# KiCad board poly_kb_wave_right2.kicad_pcb
title: PolyKybd Split72 R; date: 2023-06-22; rev: 2.2; company: thpoll; note: AISLER Project ID: ZHKWJIQG

Outline 182 x 129 mm; copper layers: Top (plane), In1.Cu, In2.Cu (plane), Bottom. Coordinates in mm from the lower left corner of the outline.
Outline path: 0,123 0,49 1,45 17,1 19,0 21,0 61,12 130,18 173,18 176,21 182,40 182,122 181,123 110.8,129 69.3,129 2,125 0,123 ; 17.36,30.74 arc(16.22,31.27) 16.75,32.41 24.26,35.14 arc(25.39,34.61) 24.86,33.47 17.36,30.74 ; 25.47,10.08 arc(24.33,10.61) 24.86,11.75 32.37,14.48 arc(33.5,13.95) 32.97,12.81 25.47,10.08 ; 39.86,101.57 arc(38.97,102.46) 39.86,103.35 47.84,103.35 arc(48.73,102.46) 47.84,101.57 39.86,101.57 ; 39.86,82.52 arc(38.97,83.41) 39.86,84.3 47.84,84.3 arc(48.73,83.41) 47.84,82.52 39.86,82.52 ; 39.86,63.47 arc(38.97,64.36) 39.86,65.25 47.84,65.25 arc(48.73,64.36) 47.84,63.47 39.86,63.47 ; 40.03,37.99 arc(38.96,38.65) 39.61,39.72 47.35,41.58 arc(48.45,40.94) 47.79,39.85 40.03,37.99 ; 45.72,16.27 arc(44.64,16.93) 45.3,18 53.06,19.86 arc(54.13,19.21) 53.48,18.13 45.72,16.27 ; 58.91,101.57 arc(58.02,102.46) 58.91,103.35 66.89,103.35 arc(67.78,102.46) 66.89,101.57 58.91,101.57 ; 58.91,82.52 arc(58.02,83.41) 58.91,84.3 66.89,84.3 arc(67.78,83.41) 66.89,82.52 58.91,82.52 ; 58.91,63.47 arc(58.02,64.36) 58.91,65.25 66.89,65.25 arc(67.78,64.36) 66.89,63.47 58.91,63.47 ; 58.91,44.42 arc(58.02,45.31) 58.91,46.2 66.89,46.2 arc(67.78,45.31) 66.89,44.42 58.91,44.42 ; 67.21,20.23 arc(66.24,21.04) 67.05,22 75,22.69 arc(75.97,21.89) 75.16,20.92 67.21,20.23 ; 77.96,103.95 arc(77.07,104.84) 77.96,105.73 85.94,105.73 arc(86.83,104.84) 85.94,103.95 77.96,103.95 ; 77.96,84.9 arc(77.07,85.79) 77.96,86.68 85.94,86.68 arc(86.83,85.79) 85.94,84.9 77.96,84.9 ; 77.96,65.85 arc(77.07,66.74) 77.96,67.63 85.94,67.63 arc(86.83,66.74) 85.94,65.85 77.96,65.85 ; 77.96,46.8 arc(77.07,47.69) 77.96,48.58 85.94,48.58 arc(86.83,47.69) 85.94,46.8 77.96,46.8 ; 97.01,106.34 arc(96.12,107.22) 97.01,108.11 104.99,108.11 arc(105.88,107.22) 104.99,106.34 97.01,106.34 ; 97.01,87.29 arc(96.12,88.18) 97.01,89.06 104.99,89.06 arc(105.88,88.17) 104.99,87.29 97.01,87.29 ; 97.01,68.24 arc(96.12,69.13) 97.01,70.01 104.99,70.01 arc(105.88,69.12) 104.99,68.24 97.01,68.24 ; 97.01,49.19 arc(96.12,50.08) 97.01,50.96 104.99,50.96 arc(105.88,50.07) 104.99,49.19 97.01,49.19 ; 97.01,30.14 arc(96.12,31.03) 97.01,31.91 104.99,31.91 arc(105.88,31.02) 104.99,30.14 97.01,30.14 ; 116.06,103.95 arc(115.17,104.84) 116.06,105.73 124.04,105.73 arc(124.93,104.84) 124.04,103.95 116.06,103.95 ; 116.06,84.9 arc(115.17,85.79) 116.06,86.68 124.04,86.68 arc(124.93,85.79) 124.04,84.9 116.06,84.9 ; 116.06,65.85 arc(115.17,66.74) 116.06,67.63 124.04,67.63 arc(124.93,66.74) 124.04,65.85 116.06,65.85 ; 116.06,46.8 arc(115.17,47.69) 116.06,48.58 124.04,48.58 arc(124.93,47.69) 124.04,46.8 116.06,46.8 ; 116.06,27.75 arc(115.17,28.64) 116.06,29.53 124.04,29.53 arc(124.93,28.64) 124.04,27.75 116.06,27.75 ; 135.11,101.57 arc(134.22,102.46) 135.11,103.35 143.09,103.35 arc(143.98,102.46) 143.09,101.57 135.11,101.57 ; 135.11,82.52 arc(134.22,83.41) 135.11,84.3 143.09,84.3 arc(143.98,83.41) 143.09,82.52 135.11,82.52 ; 135.11,63.47 arc(134.22,64.36) 135.11,65.25 143.09,65.25 arc(143.98,64.36) 143.09,63.47 135.11,63.47 ; 135.11,44.42 arc(134.22,45.31) 135.11,46.2 143.09,46.2 arc(143.98,45.31) 143.09,44.42 135.11,44.42 ; 135.11,25.37 arc(134.22,26.26) 135.11,27.15 143.09,27.15 arc(143.98,26.26) 143.09,25.37 135.11,25.37 ; 154.16,25.37 arc(153.27,26.26) 154.16,27.15 162.14,27.15 arc(163.03,26.26) 162.14,25.37 154.16,25.37 ; 158.92,101.57 arc(158.03,102.46) 158.92,103.35 166.9,103.35 arc(167.79,102.46) 166.9,101.57 158.92,101.57 ; 158.92,82.52 arc(158.03,83.41) 158.92,84.3 166.9,84.3 arc(167.79,83.41) 166.9,82.52 158.92,82.52 ; 158.92,63.47 arc(158.03,64.36) 158.92,65.25 166.9,65.25 arc(167.79,64.36) 166.9,63.47 158.92,63.47 ; 158.92,44.42 arc(158.03,45.31) 158.92,46.2 166.9,46.2 arc(167.79,45.31) 166.9,44.42 158.92,44.42
Stack: Top 0.035mm / dielectric 0.2104mm FR4 er 4.5 / In1.Cu 0.0152mm / dielectric 1.065mm FR4 er 4.5 / In2.Cu 0.0152mm / dielectric 0.2104mm FR4 er 4.5 / Bottom 0.035mm

## Placement (name value [footprint] x y rotation side)
C1_1  2.2uF 0603 25V  [C_0603_1608Metric]  51.79 117.44 270 bottom
C1_2  2.2uF 0603 25V  [C_0603_1608Metric]  70.84 117.44 270 bottom
C1_3  2.2uF 0603 25V  [C_0603_1608Metric]  87.92 117.89 270 bottom
C1_4  2.2uF 0603 25V  [C_0603_1608Metric]  108.94 122.2 270 bottom
C1_5  2.2uF 0603 25V  [C_0603_1608Metric]  127.99 119.82 270 bottom
C1_6  2.2uF 0603 25V  [C_0603_1608Metric]  147.04 117.44 270 bottom
C1_7  2.2uF 0603 25V  [C_0603_1608Metric]  170.85 117.77 270 bottom
C1_8  2.2uF 0603 25V  [C_0603_1608Metric]  51.79 98.39 270 bottom
C1_9  2.2uF 0603 25V  [C_0603_1608Metric]  70.84 98.39 270 bottom
C1_10  2.2uF 0603 25V  [C_0603_1608Metric]  89.89 100.77 270 bottom
C1_11  2.2uF 0603 25V  [C_0603_1608Metric]  108.94 103.15 270 bottom
C1_12  2.2uF 0603 25V  [C_0603_1608Metric]  127.99 100.77 270 bottom
C1_13  2.2uF 0603 25V  [C_0603_1608Metric]  147.04 98.39 270 bottom
C1_14  2.2uF 0603 25V  [C_0603_1608Metric]  170.85 98.39 270 bottom
C1_15  2.2uF 0603 25V  [C_0603_1608Metric]  51.79 79.34 270 bottom
C1_16  2.2uF 0603 25V  [C_0603_1608Metric]  70.84 79.34 270 bottom
C1_17  2.2uF 0603 25V  [C_0603_1608Metric]  89.89 81.72 270 bottom
C1_18  2.2uF 0603 25V  [C_0603_1608Metric]  108.94 84.1 270 bottom
C1_19  2.2uF 0603 25V  [C_0603_1608Metric]  127.99 81.72 270 bottom
C1_20  2.2uF 0603 25V  [C_0603_1608Metric]  145.07 83.22 90 bottom
C1_21  2.2uF 0603 25V  [C_0603_1608Metric]  170.85 79.34 270 bottom
C1_22  2.2uF 0603 25V  [C_0603_1608Metric]  47.93 56.2 283.5 bottom
C1_23  2.2uF 0603 25V  [C_0603_1608Metric]  70.84 60.29 270 bottom
C1_24  2.2uF 0603 25V  [C_0603_1608Metric]  89.89 62.67 270 bottom
C1_25  2.2uF 0603 25V  [C_0603_1608Metric]  108.94 65.05 270 bottom
C1_26  2.2uF 0603 25V  [C_0603_1608Metric]  127.99 62.67 270 bottom
C1_27  2.2uF 0603 25V  [C_0603_1608Metric]  147.04 60.29 270 bottom
C1_28  2.2uF 0603 25V  [C_0603_1608Metric]  170.85 60.29 270 bottom
C1_29  2.2uF 0603 25V  [C_0603_1608Metric]  23.15 49.72 290 bottom
C1_30  2.2uF 0603 25V  [C_0603_1608Metric]  31.26 29.07 290 bottom
C1_31  2.2uF 0603 25V  [C_0603_1608Metric]  53.6 34.49 283.5 bottom
C1_32  2.2uF 0603 25V  [C_0603_1608Metric]  77.73 37.05 275 bottom
C1_33  2.2uF 0603 25V  [C_0603_1608Metric]  108.94 46 270 bottom
C1_34  2.2uF 0603 25V  [C_0603_1608Metric]  127.99 43.62 270 bottom
C1_35  2.2uF 0603 25V  [C_0603_1608Metric]  147.04 41.24 270 bottom
C1_36  2.2uF 0603 25V  [C_0603_1608Metric]  166.09 41.24 270 bottom
C2  1uF 0402 16V  [C_0402_1005Metric]  12.23 85.89 0 bottom
C2_1  2.2uF 0603 16V  [C_0603_1608Metric]  37.57 118.71 180 bottom
C2_2  2.2uF 0603 16V  [C_0603_1608Metric]  56.62 118.71 180 bottom
C2_3  2.2uF 0603 16V  [C_0603_1608Metric]  75.67 121.09 180 bottom
C2_4  2.2uF 0603 16V  [C_0603_1608Metric]  95.64 124.26 90 bottom
C2_5  2.2uF 0603 16V  [C_0603_1608Metric]  113.77 121.09 180 bottom
C2_6  2.2uF 0603 16V  [C_0603_1608Metric]  132.82 118.71 180 bottom
C2_7  2.2uF 0603 16V  [C_0603_1608Metric]  156.63 119.04 180 bottom
C2_8  2.2uF 0603 16V  [C_0603_1608Metric]  37.57 99.66 180 bottom
C2_9  2.2uF 0603 16V  [C_0603_1608Metric]  56.62 99.66 180 bottom
C2_10  2.2uF 0603 16V  [C_0603_1608Metric]  75.67 102.04 180 bottom
C2_11  2.2uF 0603 16V  [C_0603_1608Metric]  94.72 104.42 180 bottom
C2_12  2.2uF 0603 16V  [C_0603_1608Metric]  113.77 102.04 180 bottom
C2_13  2.2uF 0603 16V  [C_0603_1608Metric]  132.82 99.66 180 bottom
C2_14  2.2uF 0603 16V  [C_0603_1608Metric]  156.63 99.66 180 bottom
C2_15  2.2uF 0603 16V  [C_0603_1608Metric]  37.57 80.61 180 bottom
C2_16  2.2uF 0603 16V  [C_0603_1608Metric]  56.62 80.61 180 bottom
C2_17  2.2uF 0603 16V  [C_0603_1608Metric]  75.67 82.99 180 bottom
C2_18  2.2uF 0603 16V  [C_0603_1608Metric]  94.72 85.37 180 bottom
C2_19  2.2uF 0603 16V  [C_0603_1608Metric]  113.77 82.99 180 bottom
C2_20  2.2uF 0603 16V  [C_0603_1608Metric]  132.82 80.61 180 bottom
C2_21  2.2uF 0603 16V  [C_0603_1608Metric]  156.63 80.61 180 bottom
C2_22  2.2uF 0603 16V  [C_0603_1608Metric]  33.8 54.12 193.5 bottom
C2_23  2.2uF 0603 16V  [C_0603_1608Metric]  56.62 61.56 180 bottom
C2_24  2.2uF 0603 16V  [C_0603_1608Metric]  75.67 63.94 180 bottom
C2_25  2.2uF 0603 16V  [C_0603_1608Metric]  94.72 66.32 180 bottom
C2_26  2.2uF 0603 16V  [C_0603_1608Metric]  113.77 63.94 180 bottom
C2_27  2.2uF 0603 16V  [C_0603_1608Metric]  132.82 61.56 180 bottom
C2_28  2.2uF 0603 16V  [C_0603_1608Metric]  156.63 61.56 180 bottom
C2_29  2.2uF 0603 16V  [C_0603_1608Metric]  9.35 46.05 200 bottom
C2_30  2.2uF 0603 16V  [C_0603_1608Metric]  17.46 25.4 200 bottom
C2_31  2.2uF 0603 16V  [C_0603_1608Metric]  39.47 32.4 193.5 bottom
C2_32  2.2uF 0603 16V  [C_0603_1608Metric]  63.45 37.08 185 bottom
C2_33  2.2uF 0603 16V  [C_0603_1608Metric]  94.72 47.27 180 bottom
C2_34  2.2uF 0603 16V  [C_0603_1608Metric]  113.77 44.89 180 bottom
C2_35  2.2uF 0603 16V  [C_0603_1608Metric]  132.82 42.51 180 bottom
C2_36  2.2uF 0603 16V  [C_0603_1608Metric]  151.87 42.51 180 bottom
C3  27pF 0402 16V  [C_0402_1005Metric]  24.1 97.2 180 bottom
C3_1  1uF 0402 16V  [C_0402_1005Metric]  36.3 115.91 180 bottom
C3_2  1uF 0402 16V  [C_0402_1005Metric]  55.35 115.91 180 bottom
C3_3  1uF 0402 16V  [C_0402_1005Metric]  74.4 118.3 180 bottom
C3_4  1uF 0402 16V  [C_0402_1005Metric]  93.25 118.1 270 bottom
C3_5  1uF 0402 16V  [C_0402_1005Metric]  112.5 118.3 180 bottom
C3_6  1uF 0402 16V  [C_0402_1005Metric]  131.55 115.91 180 bottom
C3_7  1uF 0402 16V  [C_0402_1005Metric]  155.36 116.24 180 bottom
C3_8  1uF 0402 16V  [C_0402_1005Metric]  36.3 96.86 180 bottom
C3_9  1uF 0402 16V  [C_0402_1005Metric]  55.35 96.86 180 bottom
C3_10  1uF 0402 16V  [C_0402_1005Metric]  74.4 99.25 180 bottom
C3_11  1uF 0402 16V  [C_0402_1005Metric]  93.45 101.63 180 bottom
C3_12  1uF 0402 16V  [C_0402_1005Metric]  112.5 99.25 180 bottom
C3_13  1uF 0402 16V  [C_0402_1005Metric]  131.55 96.86 180 bottom
C3_14  1uF 0402 16V  [C_0402_1005Metric]  155.36 96.86 180 bottom
C3_15  1uF 0402 16V  [C_0402_1005Metric]  36.3 77.81 180 bottom
C3_16  1uF 0402 16V  [C_0402_1005Metric]  55.35 77.81 180 bottom
C3_17  1uF 0402 16V  [C_0402_1005Metric]  74.4 80.2 180 bottom
C3_18  1uF 0402 16V  [C_0402_1005Metric]  93.45 82.58 180 bottom
C3_19  1uF 0402 16V  [C_0402_1005Metric]  112.5 80.2 180 bottom
C3_20  1uF 0402 16V  [C_0402_1005Metric]  131.55 77.81 180 bottom
C3_21  1uF 0402 16V  [C_0402_1005Metric]  155.36 77.81 180 bottom
C3_22  1uF 0402 16V  [C_0402_1005Metric]  33.22 51.1 193.5 bottom
C3_23  1uF 0402 16V  [C_0402_1005Metric]  55.35 58.76 180 bottom
C3_24  1uF 0402 16V  [C_0402_1005Metric]  74.4 61.15 180 bottom
C3_25  1uF 0402 16V  [C_0402_1005Metric]  93.45 63.53 180 bottom
C3_26  1uF 0402 16V  [C_0402_1005Metric]  112.5 61.15 180 bottom
C3_27  1uF 0402 16V  [C_0402_1005Metric]  131.55 58.76 180 bottom
C3_28  1uF 0402 16V  [C_0402_1005Metric]  155.36 58.76 180 bottom
C3_29  1uF 0402 16V  [C_0402_1005Metric]  9.11 42.99 200 bottom
C3_30  1uF 0402 16V  [C_0402_1005Metric]  17.22 22.34 200 bottom
C3_31  1uF 0402 16V  [C_0402_1005Metric]  38.89 29.39 193.5 bottom
C3_32  1uF 0402 16V  [C_0402_1005Metric]  62.43 34.18 185 bottom
C3_33  1uF 0402 16V  [C_0402_1005Metric]  93.45 44.48 180 bottom
C3_34  1uF 0402 16V  [C_0402_1005Metric]  112.5 42.1 180 bottom
C3_35  1uF 0402 16V  [C_0402_1005Metric]  131.55 39.71 180 bottom
C3_36  1uF 0402 16V  [C_0402_1005Metric]  150.6 39.71 180 bottom
C4  10uF 0805 16V  [C_0805_2012Metric]  10.65 117.85 180 top
C4_1  4.7uF 3216 25V Tantalum  [CP_EIA-3216-18_Kemet-A]  49.76 117.31 270 bottom
C4_2  4.7uF 3216 25V Tantalum  [CP_EIA-3216-18_Kemet-A]  68.81 117.31 270 bottom
C4_3  4.7uF 3216 25V Tantalum  [CP_EIA-3216-18_Kemet-A]  89.7 110.32 270 bottom
C4_4  4.7uF 3216 25V Tantalum  [CP_EIA-3216-18_Kemet-A]  106.91 122.07 270 bottom
C4_5  4.7uF 3216 25V Tantalum  [CP_EIA-3216-18_Kemet-A]  125.96 119.69 270 bottom
C4_6  4.7uF 3216 25V Tantalum  [CP_EIA-3216-18_Kemet-A]  145.01 117.31 270 bottom
C4_7  4.7uF 3216 25V Tantalum  [CP_EIA-3216-18_Kemet-A]  168.82 117.64 270 bottom
C4_8  4.7uF 3216 25V Tantalum  [CP_EIA-3216-18_Kemet-A]  49.76 98.26 270 bottom
C4_9  4.7uF 3216 25V Tantalum  [CP_EIA-3216-18_Kemet-A]  68.81 98.26 270 bottom
C4_10  4.7uF 3216 25V Tantalum  [CP_EIA-3216-18_Kemet-A]  87.86 100.64 270 bottom
C4_11  4.7uF 3216 25V Tantalum  [CP_EIA-3216-18_Kemet-A]  106.91 103.02 270 bottom
C4_12  4.7uF 3216 25V Tantalum  [CP_EIA-3216-18_Kemet-A]  125.96 100.64 270 bottom
C4_13  4.7uF 3216 25V Tantalum  [CP_EIA-3216-18_Kemet-A]  145.01 98.26 270 bottom
C4_14  4.7uF 3216 25V Tantalum  [CP_EIA-3216-18_Kemet-A]  168.82 98.26 270 bottom
C4_15  4.7uF 3216 25V Tantalum  [CP_EIA-3216-18_Kemet-A]  49.76 79.21 270 bottom
C4_16  4.7uF 3216 25V Tantalum  [CP_EIA-3216-18_Kemet-A]  68.81 79.21 270 bottom
C4_17  4.7uF 3216 25V Tantalum  [CP_EIA-3216-18_Kemet-A]  87.86 81.59 270 bottom
C4_18  4.7uF 3216 25V Tantalum  [CP_EIA-3216-18_Kemet-A]  106.91 83.97 270 bottom
C4_19  4.7uF 3216 25V Tantalum  [CP_EIA-3216-18_Kemet-A]  125.96 81.59 270 bottom
C4_20  4.7uF 3216 25V Tantalum  [CP_EIA-3216-18_Kemet-A]  145.01 79.21 270 bottom
C4_21  4.7uF 3216 25V Tantalum  [CP_EIA-3216-18_Kemet-A]  168.82 79.21 270 bottom
C4_22  4.7uF 3216 25V Tantalum  [CP_EIA-3216-18_Kemet-A]  45.98 55.6 283.5 bottom
C4_23  4.7uF 3216 25V Tantalum  [CP_EIA-3216-18_Kemet-A]  68.81 60.16 270 bottom
C4_24  4.7uF 3216 25V Tantalum  [CP_EIA-3216-18_Kemet-A]  87.86 62.54 270 bottom
C4_25  4.7uF 3216 25V Tantalum  [CP_EIA-3216-18_Kemet-A]  106.91 64.92 270 bottom
C4_26  4.7uF 3216 25V Tantalum  [CP_EIA-3216-18_Kemet-A]  125.96 62.54 270 bottom
C4_27  4.7uF 3216 25V Tantalum  [CP_EIA-3216-18_Kemet-A]  145.01 60.16 270 bottom
C4_28  4.7uF 3216 25V Tantalum  [CP_EIA-3216-18_Kemet-A]  168.82 60.16 270 bottom
C4_29  4.7uF 3216 25V Tantalum  [CP_EIA-3216-18_Kemet-A]  21.28 48.91 290 bottom
C4_30  4.7uF 3216 25V Tantalum  [CP_EIA-3216-18_Kemet-A]  29.39 28.25 290 bottom
C4_31  4.7uF 3216 25V Tantalum  [CP_EIA-3216-18_Kemet-A]  51.65 33.89 283.5 bottom
C4_32  4.7uF 3216 25V Tantalum  [CP_EIA-3216-18_Kemet-A]  75.72 36.75 275 bottom
C4_33  4.7uF 3216 25V Tantalum  [CP_EIA-3216-18_Kemet-A]  106.91 45.87 270 bottom
C4_34  4.7uF 3216 25V Tantalum  [CP_EIA-3216-18_Kemet-A]  125.96 43.49 270 bottom
C4_35  4.7uF 3216 25V Tantalum  [CP_EIA-3216-18_Kemet-A]  145.01 41.11 270 bottom
C4_36  4.7uF 3216 25V Tantalum  [CP_EIA-3216-18_Kemet-A]  164.06 41.11 270 bottom
C5  22pF 0603 16V  [C_0603_1608Metric]  11.75 111.35 90 top
C5_1  1uF 0402 16V  [C_0402_1005Metric]  38.2 115.91 180 bottom
C5_2  1uF 0402 16V  [C_0402_1005Metric]  57.25 115.91 180 bottom
C5_3  1uF 0402 16V  [C_0402_1005Metric]  76.3 118.3 180 bottom
C5_4  1uF 0402 16V  [C_0402_1005Metric]  95.35 120.68 180 bottom
C5_5  1uF 0402 16V  [C_0402_1005Metric]  114.4 118.3 180 bottom
C5_6  1uF 0402 16V  [C_0402_1005Metric]  133.45 115.91 180 bottom
C5_7  1uF 0402 16V  [C_0402_1005Metric]  157.26 116.24 180 bottom
C5_8  1uF 0402 16V  [C_0402_1005Metric]  38.2 96.86 180 bottom
C5_9  1uF 0402 16V  [C_0402_1005Metric]  57.25 96.86 180 bottom
C5_10  1uF 0402 16V  [C_0402_1005Metric]  76.3 99.25 180 bottom
C5_11  1uF 0402 16V  [C_0402_1005Metric]  95.35 101.63 180 bottom
C5_12  1uF 0402 16V  [C_0402_1005Metric]  114.4 99.25 180 bottom
C5_13  1uF 0402 16V  [C_0402_1005Metric]  133.45 96.86 180 bottom
C5_14  1uF 0402 16V  [C_0402_1005Metric]  157.26 96.86 180 bottom
C5_15  1uF 0402 16V  [C_0402_1005Metric]  38.2 77.81 180 bottom
C5_16  1uF 0402 16V  [C_0402_1005Metric]  57.25 77.81 180 bottom
C5_17  1uF 0402 16V  [C_0402_1005Metric]  76.3 80.2 180 bottom
C5_18  1uF 0402 16V  [C_0402_1005Metric]  95.35 82.58 180 bottom
C5_19  1uF 0402 16V  [C_0402_1005Metric]  114.4 80.2 180 bottom
C5_20  1uF 0402 16V  [C_0402_1005Metric]  133.45 77.81 180 bottom
C5_21  1uF 0402 16V  [C_0402_1005Metric]  157.26 77.81 180 bottom
C5_22  1uF 0402 16V  [C_0402_1005Metric]  35.07 51.55 193.5 bottom
C5_23  1uF 0402 16V  [C_0402_1005Metric]  57.25 58.76 180 bottom
C5_24  1uF 0402 16V  [C_0402_1005Metric]  76.3 61.15 180 bottom
C5_25  1uF 0402 16V  [C_0402_1005Metric]  95.35 63.53 180 bottom
C5_26  1uF 0402 16V  [C_0402_1005Metric]  114.4 61.15 180 bottom
C5_27  1uF 0402 16V  [C_0402_1005Metric]  133.45 58.76 180 bottom
C5_28  1uF 0402 16V  [C_0402_1005Metric]  157.26 58.76 180 bottom
C5_29  1uF 0402 16V  [C_0402_1005Metric]  10.9 43.65 200 bottom
C5_30  1uF 0402 16V  [C_0402_1005Metric]  19.01 22.99 200 bottom
C5_31  1uF 0402 16V  [C_0402_1005Metric]  40.74 29.84 193.5 bottom
C5_32  1uF 0402 16V  [C_0402_1005Metric]  64.33 34.35 185 bottom
C5_33  1uF 0402 16V  [C_0402_1005Metric]  95.35 44.48 180 bottom
C5_34  1uF 0402 16V  [C_0402_1005Metric]  114.4 42.1 180 bottom
C5_35  1uF 0402 16V  [C_0402_1005Metric]  133.45 39.71 180 bottom
C5_36  1uF 0402 16V  [C_0402_1005Metric]  152.5 39.71 180 bottom
C6  10uF 0805 16V  [C_0805_2012Metric]  8.45 111.41 90 top
C6_1  1uF 0402 16V  [C_0402_1005Metric]  38.2 117.44 0 bottom
C6_2  1uF 0402 16V  [C_0402_1005Metric]  57.25 117.44 0 bottom
C6_3  1uF 0402 16V  [C_0402_1005Metric]  76.3 119.82 0 bottom
C6_4  1uF 0402 16V  [C_0402_1005Metric]  95.35 122.2 0 bottom
C6_5  1uF 0402 16V  [C_0402_1005Metric]  114.4 119.82 0 bottom
C6_6  1uF 0402 16V  [C_0402_1005Metric]  133.45 117.44 0 bottom
C6_7  1uF 0402 16V  [C_0402_1005Metric]  157.26 117.77 0 bottom
C6_8  1uF 0402 16V  [C_0402_1005Metric]  38.2 98.39 0 bottom
C6_9  1uF 0402 16V  [C_0402_1005Metric]  57.25 98.39 0 bottom
C6_10  1uF 0402 16V  [C_0402_1005Metric]  76.3 100.77 0 bottom
C6_11  1uF 0402 16V  [C_0402_1005Metric]  95.35 103.15 0 bottom
C6_12  1uF 0402 16V  [C_0402_1005Metric]  114.4 100.77 0 bottom
C6_13  1uF 0402 16V  [C_0402_1005Metric]  133.45 98.39 0 bottom
C6_14  1uF 0402 16V  [C_0402_1005Metric]  157.26 98.39 0 bottom
C6_15  1uF 0402 16V  [C_0402_1005Metric]  38.2 79.34 0 bottom
C6_16  1uF 0402 16V  [C_0402_1005Metric]  57.25 79.34 0 bottom
C6_17  1uF 0402 16V  [C_0402_1005Metric]  76.3 81.72 0 bottom
C6_18  1uF 0402 16V  [C_0402_1005Metric]  95.35 84.1 0 bottom
C6_19  1uF 0402 16V  [C_0402_1005Metric]  114.4 81.72 0 bottom
C6_20  1uF 0402 16V  [C_0402_1005Metric]  133.45 79.34 0 bottom
C6_21  1uF 0402 16V  [C_0402_1005Metric]  157.26 79.34 0 bottom
C6_22  1uF 0402 16V  [C_0402_1005Metric]  34.72 53.03 13.5 bottom
C6_23  1uF 0402 16V  [C_0402_1005Metric]  57.25 60.29 0 bottom
C6_24  1uF 0402 16V  [C_0402_1005Metric]  76.3 62.67 0 bottom
C6_25  1uF 0402 16V  [C_0402_1005Metric]  95.35 65.05 0 bottom
C6_26  1uF 0402 16V  [C_0402_1005Metric]  114.4 62.67 0 bottom
C6_27  1uF 0402 16V  [C_0402_1005Metric]  133.45 60.29 0 bottom
C6_28  1uF 0402 16V  [C_0402_1005Metric]  157.26 60.29 0 bottom
C6_29  1uF 0402 16V  [C_0402_1005Metric]  10.38 45.08 20 bottom
C6_30  1uF 0402 16V  [C_0402_1005Metric]  18.49 24.42 20 bottom
C6_31  1uF 0402 16V  [C_0402_1005Metric]  40.39 31.32 13.5 bottom
C6_32  1uF 0402 16V  [C_0402_1005Metric]  64.19 35.87 5 bottom
C6_33  1uF 0402 16V  [C_0402_1005Metric]  95.35 46 0 bottom
C6_34  1uF 0402 16V  [C_0402_1005Metric]  114.4 43.62 0 bottom
C6_35  1uF 0402 16V  [C_0402_1005Metric]  133.45 41.24 0 bottom
C6_36  1uF 0402 16V  [C_0402_1005Metric]  152.5 41.24 0 bottom
C8  27pF 0402 16V  [C_0402_1005Metric]  23.1 92.2 270 bottom
C9  100nF 0402 16V  [C_0402_1005Metric]  28.55 115.81 90 bottom
C10  10uF 0805 16V  [C_0805_2012Metric]  6.77 105.07 180 top
C11  22pF 0603 16V  [C_0603_1608Metric]  8.55 101.26 0 top
C12  10uF 0805 16V  [C_0805_2012Metric]  6.39 102.02 90 bottom
C13  10uF 0805 16V  [C_0805_2012Metric]  2.95 97.32 90 bottom
C14  10uF 0805 16V  [C_0805_2012Metric]  6.77 94.65 90 bottom
C15  100nF 0402 16V  [C_0402_1005Metric]  20.51 102.3 180 top
C16  100nF 0402 16V  [C_0402_1005Metric]  22.1 106.78 270 top
C17  100nF 0402 16V  [C_0402_1005Metric]  19.11 103.44 0 top
C18  100nF 0402 16V  [C_0402_1005Metric]  22.49 102.22 180 top
C19  100nF 0402 16V  [C_0402_1005Metric]  19.52 104.91 270 top
C20  100nF 0402 16V  [C_0402_1005Metric]  20.9 106.83 270 top
C21  100nF 0402 16V  [C_0402_1005Metric]  24.3 106.78 270 top
C22  100nF 0402 16V  [C_0402_1005Metric]  23.2 106.78 270 top
C23  100nF 0402 16V  [C_0402_1005Metric]  24.25 104.88 180 top
C24  1uf 0402 16V  [C_0402_1005Metric]  18.55 108.95 180 top
C25  1uf 0402 16V  [C_0402_1005Metric]  19.7 106.83 270 top
C26  10uf 0805 16V  [C_0805_2012Metric]  24.42 102.13 270 top
C30  1uF 0402 16V  [C_0402_1005Metric]  8.17 85.89 0 bottom
C31  1uF 0402 16V  [C_0402_1005Metric]  10.2 85.89 0 bottom
C32  1uF 0402 16V  [C_0402_1005Metric]  14.26 85.89 0 bottom
C33  4.7uF 3216 25V Tantalum  [CP_EIA-3216-18_Kemet-A]  20.99 86.27 180 bottom
C34  4.7uF 3216 25V Tantalum  [CP_EIA-3216-18_Kemet-A]  20.99 83.98 180 bottom
D1  Red 0805 C84256  [LED_0805_2012Metric]  11.6 122.21 90 bottom
D1_1  1N4148WS  [D_SOD-323Ext]  36.3 113.59 270 bottom
D1_2  1N4148WS  [D_SOD-323Ext]  55.31 104.33 90 bottom
D1_3  1N4148WS  [D_SOD-323Ext]  74.42 108.06 90 bottom
D1_4  1N4148WS  [D_SOD-323Ext]  93.48 109.85 90 bottom
D1_5  1N4148WS  [D_SOD-323Ext]  111.37 115 0 bottom
D1_6  1N4148WS  [D_SOD-323Ext]  130.54 112.71 0 bottom
D1_7  1N4148WS  [D_SOD-323Ext]  154.34 113.07 0 bottom
D1_8  1N4148WS  [D_SOD-323Ext]  36.3 94.54 270 bottom
D1_9  1N4148WS  [D_SOD-323Ext]  55.32 85.44 90 bottom
D1_10  1N4148WS  [D_SOD-323Ext]  74.38 87.7 90 bottom
D1_11  1N4148WS  [D_SOD-323Ext]  93.4 90 90 bottom
D1_12  1N4148WS  [D_SOD-323Ext]  111.49 95.95 0 bottom
D1_13  1N4148WS  [D_SOD-323Ext]  130.52 93.59 0 bottom
D1_14  1N4148WS  [D_SOD-323Ext]  154.34 93.64 0 bottom
D1_15  1N4148WS  [D_SOD-323Ext]  36.3 75.49 270 bottom
D1_16  1N4148WS  [D_SOD-323Ext]  55.32 66.33 90 bottom
D1_17  1N4148WS  [D_SOD-323Ext]  74.39 68.52 90 bottom
D1_18  1N4148WS  [D_SOD-323Ext]  93.48 70.83 90 bottom
D1_19  1N4148WS  [D_SOD-323Ext]  111.39 77 0 bottom
D1_20  1N4148WS  [D_SOD-323Ext]  130.47 74.54 0 bottom
D1_21  1N4148WS  [D_SOD-323Ext]  155.36 67.47 90 bottom
D1_22  1N4148WS  [D_SOD-323Ext]  33.76 48.85 283.5 bottom
D1_23  1N4148WS  [D_SOD-323Ext]  55.32 47.73 90 bottom
D1_24  1N4148WS  [D_SOD-323Ext]  74.39 50.84 90 bottom
D1_25  1N4148WS  [D_SOD-323Ext]  93.43 52.45 90 bottom
D1_26  1N4148WS  [D_SOD-323Ext]  111.42 57.92 0 bottom
D1_27  1N4148WS  [D_SOD-323Ext]  130.47 55.46 0 bottom
D1_28  1N4148WS  [D_SOD-323Ext]  154.34 55.54 0 bottom
D1_29  1N4148WS  [D_SOD-323Ext]  9.9 40.81 290 bottom
D1_30  1N4148WS  [D_SOD-323Ext]  18.01 20.16 290 bottom
D1_31  1N4148WS  [D_SOD-323Ext]  39.43 27.14 283.5 bottom
D1_32  1N4148WS  [D_SOD-323Ext]  62.63 31.87 275 bottom
D1_33  1N4148WS  [D_SOD-323Ext]  90.2 41.78 270 bottom
D1_34  1N4148WS  [D_SOD-323Ext]  111.43 38.88 0 bottom
D1_35  1N4148WS  [D_SOD-323Ext]  130.49 36.46 0 bottom
D1_36  1N4148WS  [D_SOD-323Ext]  149.52 36.49 0 bottom
D2  ESD5Z5V0  [D_SOD-523]  13.63 121.7 90 top
D5  Green 0805 C2297  [LED_0805_2012Metric]  3.35 82.66 90 bottom
D6  Yellow 0805 C2296  [LED_0805_2012Metric]  3.4 90.6 90 bottom
D12  1N4148WS  [D_SOD-323Ext]  24.75 58.05 0 bottom
DBG1  Conn_01x03_Male  [PinHeader_1x03_P2.54mm_Vertical]  12.87 97.45 180 bottom
DBG3  DebugPort  [PinHeader_1x10_P2.54mm_Vertical]  174.54 67.22 0 top
F1  2920L030DR  [Fuse_2920_7451Metric]  4.4 112.72 270 top
FB1  GZ2012D601TF  [L_0805_2012Metric]  27.22 120.86 90 bottom
FB2  GZ2012D601TF  [L_0805_2012Metric]  5.88 62.59 270 bottom
H1  MountingHole_Pad  [MountingHole_3mm_Pad_Via]  81.93 41 180 bottom
H2  MountingHole_Pad  [MountingHole_3mm_Pad_Via]  171.98 24 180 bottom
H3  MountingHole_Pad  [MountingHole_3mm_Pad_Via]  20.98 5 180 bottom
H4  MountingHole_Pad  [MountingHole_3mm_Pad_Via]  4.98 53 180 bottom
H5  MountingHole_Pad  [MountingHole_3mm_Pad_Via]  89.53 124.5 180 bottom
H6  MountingHole_Pad  [MountingHole_3mm_Pad_Via]  176.98 118 180 bottom
H7  MountingHole_Pad  [MountingHole_3mm_Pad_Via]  150.18 77.1 180 bottom
H8  MountingHole_Pad  [MountingHole_3mm_Pad_Via]  32.88 102.2 180 bottom
H9  MountingHole_Pad  [MountingHole_3mm_Pad_Via]  4.5 120.81 180 bottom
J1  FH34SRJ-14S-0.5SH  [FH34SRJ14S05SH50-Rev2]  43.85 116.71 0 bottom
J2  FH34SRJ-14S-0.5SH  [FH34SRJ14S05SH50-Rev2]  62.9 116.71 0 bottom
J3  FH34SRJ-14S-0.5SH  [FH34SRJ14S05SH50-Rev2]  81.95 119.09 0 bottom
J4  FH34SRJ-14S-0.5SH  [FH34SRJ14S05SH50-Rev2]  101 121.47 0 bottom
J5  FH34SRJ-14S-0.5SH  [FH34SRJ14S05SH50-Rev2]  120.05 119.09 0 bottom
J6  FH34SRJ-14S-0.5SH  [FH34SRJ14S05SH50-Rev2]  139.1 116.71 0 bottom
J7  FH34SRJ-14S-0.5SH  [FH34SRJ14S05SH50-Rev2]  162.92 117.03 0 bottom
J8  FH34SRJ-14S-0.5SH  [FH34SRJ14S05SH50-Rev2]  43.85 97.66 0 bottom
J9  FH34SRJ-14S-0.5SH  [FH34SRJ14S05SH50-Rev2]  62.9 97.66 0 bottom
J10  FH34SRJ-14S-0.5SH  [FH34SRJ14S05SH50-Rev2]  81.95 100.04 0 bottom
J11  FH34SRJ-14S-0.5SH  [FH34SRJ14S05SH50-Rev2]  101 102.42 0 bottom
J12  FH34SRJ-14S-0.5SH  [FH34SRJ14S05SH50-Rev2]  120.05 100.04 0 bottom
J13  FH34SRJ-14S-0.5SH  [FH34SRJ14S05SH50-Rev2]  139.1 97.66 0 bottom
J14  FH34SRJ-14S-0.5SH  [FH34SRJ14S05SH50-Rev2]  162.92 97.66 0 bottom
J15  FH34SRJ-14S-0.5SH  [FH34SRJ14S05SH50-Rev2]  43.85 78.61 0 bottom
J16  FH34SRJ-14S-0.5SH  [FH34SRJ14S05SH50-Rev2]  62.9 78.61 0 bottom
J17  FH34SRJ-14S-0.5SH  [FH34SRJ14S05SH50-Rev2]  81.95 80.99 0 bottom
J18  FH34SRJ-14S-0.5SH  [FH34SRJ14S05SH50-Rev2]  101 83.37 0 bottom
J19  FH34SRJ-14S-0.5SH  [FH34SRJ14S05SH50-Rev2]  120.05 80.99 0 bottom
J20  FH34SRJ-14S-0.5SH  [FH34SRJ14S05SH50-Rev2]  139.1 78.61 0 bottom
J21  FH34SRJ-14S-0.5SH  [FH34SRJ14S05SH50-Rev2]  162.92 78.61 0 bottom
J22  FH34SRJ-14S-0.5SH  [FH34SRJ14S05SH50-Rev2#2]  40.38 53.64 13.5 bottom
J23  FH34SRJ-14S-0.5SH  [FH34SRJ14S05SH50-Rev2]  62.9 59.56 0 bottom
J24  FH34SRJ-14S-0.5SH  [FH34SRJ14S05SH50-Rev2]  81.95 61.94 0 bottom
J25  FH34SRJ-14S-0.5SH  [FH34SRJ14S05SH50-Rev2]  101 64.32 0 bottom
J26  FH34SRJ-14S-0.5SH  [FH34SRJ14S05SH50-Rev2]  120.05 61.94 0 bottom
J27  FH34SRJ-14S-0.5SH  [FH34SRJ14S05SH50-Rev2]  139.1 59.56 0 bottom
J28  FH34SRJ-14S-0.5SH  [FH34SRJ14S05SH50-Rev2]  162.92 59.56 0 bottom
J29  FH34SRJ-14S-0.5SH  [FH34SRJ14S05SH50-Rev2#3]  15.94 46.32 20 bottom
J30  FH34SRJ-14S-0.5SH  [FH34SRJ14S05SH50-Rev2#3]  24.05 25.67 20 bottom
J31  FH34SRJ-14S-0.5SH  [FH34SRJ14S05SH50-Rev2#2]  46.05 31.93 13.5 bottom
J32  FH34SRJ-14S-0.5SH  [FH34SRJ14S05SH50-Rev2]  69.89 35.63 5 bottom
J33  FH34SRJ-14S-0.5SH  [FH34SRJ14S05SH50-Rev2]  101 45.27 0 bottom
J34  FH34SRJ-14S-0.5SH  [FH34SRJ14S05SH50-Rev2]  120.05 42.89 0 bottom
J35  FH34SRJ-14S-0.5SH  [FH34SRJ14S05SH50-Rev2]  139.1 40.51 0 bottom
J36  FH34SRJ-14S-0.5SH  [FH34SRJ14S05SH50-Rev2]  158.15 40.51 0 bottom
J37  FH34SRJ-12S-0.5SH  [FH34SRJ12S05SH50-Rev2]  14.98 77.18 200 bottom
J38  Conn_01x05  [PinHeader_1x05_P2.54mm_Vertical]  28.3 71.05 20 top
J39  FH12-30S-0.5SH  [Hirose_FH12-30S-0.5SH_1x30-1MP_P0.50mm_Horizontal]  15.8 86.09 0 top
JP1  CurrentLimitBypass  [SolderJumper-3_P1.3mm_Bridged12_RoundedPad1.0x1.5mm]  8.04 90.21 0 bottom
kibuzzard-63EB51FD  G***  [kibuzzard-63EB51FD]  172.45 62.1 90 bottom
kibuzzard-63EB521C  G***  [kibuzzard-63EB521C]  172.3 52 90 bottom
kibuzzard-639C2A4A  G***  [kibuzzard-639C2A4A]  178.76 53.62 163 bottom
kibuzzard-639C2A44  G***  [kibuzzard-639C2A44]  178.47 51.16 163 bottom
kibuzzard-639C2A60  G***  [kibuzzard-639C2A60]  178.2 48.74 163 bottom
kibuzzard-639C2A93  G***  [kibuzzard-639C2A93]  177.85 46.32 163 bottom
kibuzzard-639C2D8F  G***  [kibuzzard-639C2D8F]  33.82 63.92 180 bottom
kibuzzard-639C2D09  G***  [kibuzzard-639C2D09]  21.12 67.6 180 bottom
kibuzzard-639C2D09#2  G***  [kibuzzard-639C2D09]  23.79 60.49 180 bottom
kibuzzard-639C2D25  G***  [kibuzzard-639C2D25]  22.9 63.03 180 bottom
kibuzzard-639C2D80  G***  [kibuzzard-639C2D80]  34.71 61.5 180 bottom
kibuzzard-639C2DA1  G***  [kibuzzard-639C2DA1]  32.81 66.33 180 bottom
kibuzzard-639C2DB9  G***  [kibuzzard-639C2DB9]  22.5 65.45 180 bottom
kibuzzard-639C2DB9#2  G***  [kibuzzard-639C2DB9]  31.15 71.41 180 bottom
kibuzzard-639C2DCB  G***  [kibuzzard-639C2DCB]  31.79 68.74 180 bottom
kibuzzard-639C2E0D  G***  [kibuzzard-639C2E0D]  9.56 59.47 270 bottom
kibuzzard-639C2E0D#2  G***  [kibuzzard-639C2E0D]  30.13 56.05 270 bottom
kibuzzard-639C2E3A  G***  [kibuzzard-639C2E3A]  28.28 55.94 270 bottom
kibuzzard-639C2E3A#2  G***  [kibuzzard-639C2E3A]  11.6 55.54 270 bottom
kibuzzard-639C28BB  G***  [kibuzzard-639C28BB]  16.2 94.35 163 bottom
kibuzzard-639C28BB#2  G***  [kibuzzard-639C28BB]  177.83 66.65 163 bottom
kibuzzard-639C28CF  G***  [kibuzzard-639C28CF]  16.25 96.91 163 bottom
kibuzzard-639C29A7  G***  [kibuzzard-639C29A7]  177.85 61.41 163 bottom
kibuzzard-639C29B6  G***  [kibuzzard-639C29B6]  177.55 59.01 163 bottom
kibuzzard-639C29C6  G***  [kibuzzard-639C29C6]  178.6 56.15 163 bottom
kibuzzard-639C34AE  G***  [kibuzzard-639C34AE]  31.92 16.29 180 bottom
kibuzzard-639C34D4  G***  [kibuzzard-639C34D4]  47.79 105.32 180 bottom